# Allegro board Lay-45699_A.brd (continued)
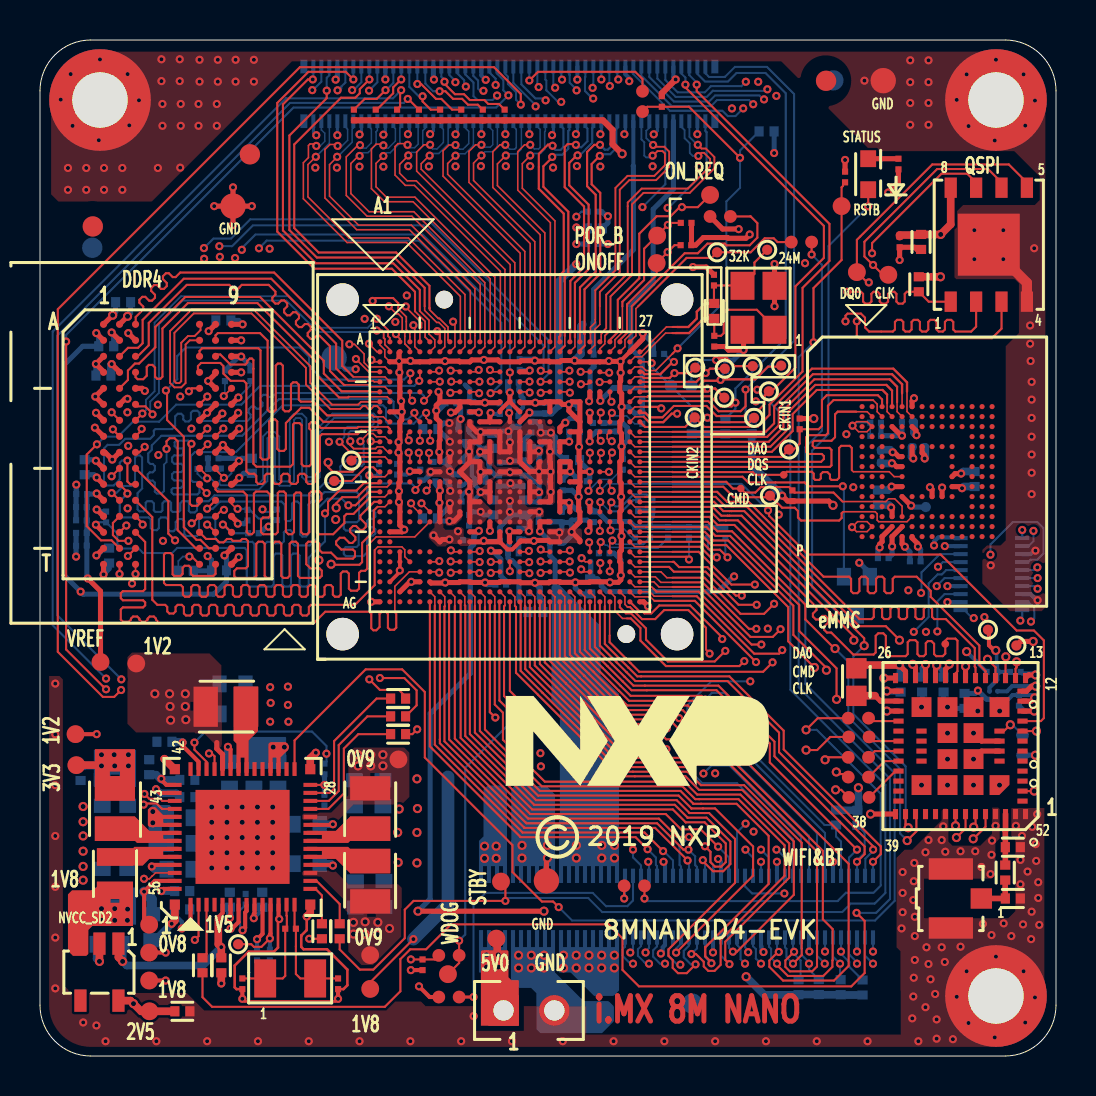
[diagram p0: board, top side]
## Footprints (pads in the part's own frame, mm; a bottom-side part is the same pattern mirrored in y, then rotated) (continued)
  round 0.254 smd: A1(-3.25,3.25) A2(-2.75,3.25) A3(-2.25,3.25) A4(-1.75,3.25) A5(-1.25,3.25) A6(-0.75,3.25) A7(-0.25,3.25) A8(0.25,3.25) A9(0.75,3.25) A10(1.25,3.25) A11(1.75,3.25) A12(2.25,3.25) A13(2.75,3.25) A14(3.25,3.25) B1(-3.25,2.75) B2(-2.75,2.75) B3(-2.25,2.75) B4(-1.75,2.75) B5(-1.25,2.75) B6(-0.75,2.75) B7(-0.25,2.75) B8(0.25,2.75) B9(0.75,2.75) B10(1.25,2.75) B11(1.75,2.75) B12(2.25,2.75) B13(2.75,2.75) B14(3.25,2.75) C1(-3.25,2.25) C2(-2.75,2.25) C3(-2.25,2.25) C4(-1.75,2.25) C5(-1.25,2.25) C6(-0.75,2.25) C7(-0.25,2.25) C8(0.25,2.25) C9(0.75,2.25) C10(1.25,2.25) C11(1.75,2.25) C12(2.25,2.25) C13(2.75,2.25) C14(3.25,2.25) D1(-3.25,1.75) D2(-2.75,1.75) D3(-2.25,1.75) D4(-1.75,1.75) D12(2.25,1.75) D13(2.75,1.75) D14(3.25,1.75) E1(-3.25,1.25) E2(-2.75,1.25) E3(-2.25,1.25) E5(-1.25,1.25) E6(-0.75,1.25) E7(-0.25,1.25) E8(0.25,1.25) E9(0.75,1.25) E10(1.25,1.25) E12(2.25,1.25) E13(2.75,1.25) E14(3.25,1.25) F1(-3.25,0.75) F2(-2.75,0.75) F3(-2.25,0.75) F5(-1.25,0.75) F10(1.25,0.75) F12(2.25,0.75) F13(2.75,0.75) F14(3.25,0.75) G1(-3.25,0.25) G2(-2.75,0.25) G3(-2.25,0.25) G5(-1.25,0.25) G10(1.25,0.25) G12(2.25,0.25) G13(2.75,0.25) G14(3.25,0.25) H1(-3.25,-0.25) H2(-2.75,-0.25) H3(-2.25,-0.25) H5(-1.25,-0.25) H10(1.25,-0.25) H12(2.25,-0.25) H13(2.75,-0.25) H14(3.25,-0.25) J1(-3.25,-0.75) J2(-2.75,-0.75) J3(-2.25,-0.75) J5(-1.25,-0.75) J10(1.25,-0.75) J12(2.25,-0.75) J13(2.75,-0.75) J14(3.25,-0.75) K1(-3.25,-1.25) K2(-2.75,-1.25) K3(-2.25,-1.25) K5(-1.25,-1.25) K6(-0.75,-1.25) K7(-0.25,-1.25) K8(0.25,-1.25) K9(0.75,-1.25) K10(1.25,-1.25) K12(2.25,-1.25) K13(2.75,-1.25) K14(3.25,-1.25) L1(-3.25,-1.75) L2(-2.75,-1.75) L3(-2.25,-1.75) L12(2.25,-1.75) L13(2.75,-1.75) L14(3.25,-1.75) M1(-3.25,-2.25) M2(-2.75,-2.25) M3(-2.25,-2.25) M4(-1.75,-2.25) M5(-1.25,-2.25) M6(-0.75,-2.25) M7(-0.25,-2.25) M8(0.25,-2.25) M9(0.75,-2.25) M10(1.25,-2.25) M11(1.75,-2.25) M12(2.25,-2.25) M13(2.75,-2.25) M14(3.25,-2.25) N1(-3.25,-2.75) N2(-2.75,-2.75) N3(-2.25,-2.75) N4(-1.75,-2.75) N5(-1.25,-2.75) N6(-0.75,-2.75) N7(-0.25,-2.75) N8(0.25,-2.75) N9(0.75,-2.75) N10(1.25,-2.75) N11(1.75,-2.75) N12(2.25,-2.75) N13(2.75,-2.75) N14(3.25,-2.75) P1(-3.25,-3.25) P2(-2.75,-3.25) P3(-2.25,-3.25) P4(-1.75,-3.25) P5(-1.25,-3.25) P6(-0.75,-3.25) P7(-0.25,-3.25) P8(0.25,-3.25) P9(0.75,-3.25) P10(1.25,-3.25) P11(1.75,-3.25) P12(2.25,-3.25) P13(2.75,-3.25) P14(3.25,-3.25)
GNDPOINT256
  round 5.08 hole 2.769: 1(0,0)
HDR_1X2
  rect 1.524x1.524 hole 1.016: 1(0,0)
  round 1.524 hole 1.016: 2(0,-2.54)
IND_0603A
  rect 1.016x1.016 smd: 1(-0.69,0) 2(0.69,0)
IND_2016A
  rect 0.864x1.803 smd: 1(-0.835,0) 2(0.835,0)
IND_SPH2520
  rect 1.219x2.007 smd: 1(-1.01,0) 2(1.01,0)
LED_0603
  rect 0.838x0.787 smd: A(-0.775,0) C(0.775,0)
LGA72_0P5_7P9X7P3
  rect 0.508x0.254 smd: 1(-3.1,2.75) 2(-3.1,2.25) 3(-3.1,1.75) 4(-3.1,1.25) 5(-3.1,0.75) 6(-3.1,0.25) 7(-3.1,-0.25) 8(-3.1,-0.75) 9(-3.1,-1.25) 10(-3.1,-1.75) 11(-3.1,-2.25) 12(-3.1,-2.75) 27(3.1,-2.75) 28(3.1,-2.25) 29(3.1,-1.75) 30(3.1,-1.25) 31(3.1,-0.75) 32(3.1,-0.25) 33(3.1,0.25) 34(3.1,0.75) 35(3.1,1.25) 36(3.1,1.75) 37(3.1,2.25) 38(3.1,2.75) 54(-1.95,0.75) 55(-1.95,0.25) 56(-1.95,-0.25) 57(-1.95,-0.75) 62(1.95,-0.75) 63(1.95,-0.25) 64(1.95,0.25) 65(1.95,0.75)
  rect 0.254x0.508 smd: 13(-3.25,-3.4) 14(-2.75,-3.4) 15(-2.25,-3.4) 16(-1.75,-3.4) 17(-1.25,-3.4) 18(-0.75,-3.4) 19(-0.25,-3.4) 20(0.25,-3.4) 21(0.75,-3.4) 22(1.25,-3.4) 23(1.75,-3.4) 24(2.25,-3.4) 25(2.75,-3.4) 26(3.25,-3.4) 39(3.25,3.4) 40(2.75,3.4) 41(2.25,3.4) 42(1.75,3.4) 43(1.25,3.4) 44(0.75,3.4) 45(0.25,3.4) 46(-0.25,3.4) 47(-0.75,3.4) 48(-1.25,3.4) 49(-1.75,3.4) 50(-2.25,3.4) 51(-2.75,3.4) 52(-3.25,3.4)
  custom 0.991x0.991 smd: 53(-1.95,1.95)
  rect 0.991x0.991 smd: 58(-1.95,-1.95) 59(-0.65,-1.95) 60(0.65,-1.95) 61(1.95,-1.95) 66(1.95,1.95) 67(0.65,1.95) 68(-0.65,1.95) 69(-0.65,0.65) 70(-0.65,-0.65) 71(0.65,-0.65) 72(0.65,0.65)
RC0402_25
  round 0.635 smd: 1(-0.508,0) 2(0.508,0)
SC70_3
  rect 0.711x0.889 smd: 1(-0.648,-0.952) 2(0.648,-0.952) 3(0,0.952)
SOT23-5
  rect 0.61x1.118 smd: 1(-1,-1.4) 2(-0.05,-1.4) 3(0.9,-1.4) 4(0.9,1.45) 5(-1,1.45)
TESTPOINT_35MIL
  round 0.889 smd: 1(0,0)
TPAD_015
  round 0.381 smd: 1(0,0)
TPAD_020
  round 0.508 smd: 1(0,0)
TPAD_050
  round 1.27 smd: 1(0,0)
unnamed#2
  round 1.016 smd: (0,0)
unnamed#3
  round 1.626 hole 1.626 unplated: (-8.362,8.362) (-8.362,-8.362) (8.362,8.362) (8.362,-8.362)
  round 0.889 hole 0.889 unplated: (-8.362,-3.282) (8.362,5.822)
UQFN56_0P4_7X7_EP_S185
  rect 0.686x0.203 smd: 1(-3.39,2.6) 2(-3.39,2.2) 3(-3.39,1.8) 4(-3.39,1.4) 5(-3.39,1) 6(-3.39,0.6) 7(-3.39,0.2) 8(-3.39,-0.2) 9(-3.39,-0.6) 10(-3.39,-1) 11(-3.39,-1.4) 12(-3.39,-1.8) 13(-3.39,-2.2) 14(-3.39,-2.6) 29(3.39,-2.6) 30(3.39,-2.2) 31(3.39,-1.8) 32(3.39,-1.4) 33(3.39,-1) 34(3.39,-0.6) 35(3.39,-0.2) 36(3.39,0.2) 37(3.39,0.6) 38(3.39,1) 39(3.39,1.4) 40(3.39,1.8) 41(3.39,2.2) 42(3.39,2.6)
  rect 0.203x0.686 smd: 15(-2.6,-3.39) 16(-2.2,-3.39) 17(-1.8,-3.39) 18(-1.4,-3.39) 19(-1,-3.39) 20(-0.6,-3.39) 21(-0.2,-3.39) 22(0.2,-3.39) 23(0.6,-3.39) 24(1,-3.39) 25(1.4,-3.39) 26(1.8,-3.39) 27(2.2,-3.39) 28(2.6,-3.39) 43(2.6,3.39) 44(2.2,3.39) 45(1.8,3.39) 46(1.4,3.39) 47(1,3.39) 48(0.6,3.39) 49(0.2,3.39) 50(-0.2,3.39) 51(-0.6,3.39) 52(-1,3.39) 53(-1.4,3.39) 54(-1.8,3.39) 55(-2.2,3.39) 56(-2.6,3.39)
  rect 4.699x4.699 smd: 57(0,0)
  rect 0.508x0.508 smd: 58(-3.385,3.385) 59(-3.385,-3.385) 60(3.385,-3.385) 61(3.385,3.385)
WLCSP4_0P4_0P8X0P8_SMDP
  round 0.254 smd: A1(-0.2,0.2) A2(0.2,0.2) B1(-0.2,-0.2) B2(0.2,-0.2)
XTAL2-3P2X1P5-SM
  rect 1.092x1.905 smd: 1(-1.25,0) 2(1.25,0)
XTLOSC4_3P2X2P5MM_SM
  rect 1.397x1.194 smd: 1(-1.1,-0.8) 2(1.1,-0.8) 3(1.1,0.8) 4(-1.1,0.8)

## Nets
GND: BH1.1 BH2.1 BH3.1 C1.2 C2.2 C3.2 C5.2 C6.2 C8.2 C9.2 C10.2 C11.2 C12.2 C13.1 C14.1 C15.2 C16.2 C17.2 C18.1 C20.2 C21.2 C23.2 C30.2 C33.2 C35.2 C36.2 C48.2 C54.2 C55.2 C61.2 C65.2 C74.2 C78.2 C88.2 C89.2 C90.2 C91.2 C92.2 C93.2 C94.2 C95.2 C99.2 C100.2 C101.2 C104.2 C105.2 C106.2 C108.2 C109.2 C110.2 C111.2 C112.2 C113.2 C114.2 C123.2 C124.2 C127.2 C128.2 C129.2 C130.2 C131.2 C132.2 C133.2 C136.2 C137.2 C138.2 C139.2 C140.2 C141.2 C142.2 C143.2 C146.2 C148.2 C234.1 C235.2 C241.2 C244.2 C245.2 C247.2 C248.2 C251.2 C253.2 C254.2 C255.2 C256.2 C260.2 C264.2 C265.2 C266.2 C267.2 C268.2 C272.1 C273.2 C275.2 C279.1 C281.1 C283.2 C285.2 C287.2 C295.1 C298.2 C299.2 C301.1 C306.1 C307.1 C311.2 C312.2 C316.1 C317.2 C318.2 C323.1 C324.2 C325.2 C333.2 C337.2 C351.2 C363.2 C365.2 C389.2 C391.2 C392.2 C393.2 C394.2 C400.2 C401.1 C402.1 C403.2 C404.2 C422.2 C423.2 C424.1 J2.2 J2.3(GND2) J4.1 J4.7 J4.8 J4.13 J4.19 J4.20 J4.25 J4.31 J4.32 J4.37 J4.43 J4.44 J4.49 J4.55 J4.61 J4.67 J4.68 J4.73 J4.79 J4.80 J4.87 J4.92 J4.97 J5.9 J5.10 J5.11 J5.12 J5.13 J5.14 J5.15 J5.16 J5.17 J5.18 J5.19 J5.20 J5.47 J5.48 J5.60 J5.61 J5.72 J5.75 J5.84 J5.89 J5.96 J6.2 J7.3 J7.6 J7.7 J7.16 J7.17 L3.2 L4.2 Q1.2(SOURCE) R4.1 R5.1 R7.1 R18.2 R23.2 R28.2 R29.2 R30.2 R64.2 R103.2 R135.2 R154.2 R156.1 R159.1 R160.2 TP44.1(PIN1) TP45.1(PIN1) TP46.1(PIN1) TP47.1(PIN1) U1.A1 U1.A27 U1.AA7 U1.AA9 U1.AA10 U1.AA13 U1.AA15 U1.AA18 U1.AA19 U1.AA21 U1.AB3 U1.AB25 U1.AC3 U1.AC25 U1.AE2 U1.AE5 U1.AE6 U1.AE9 U1.AE10 U1.AE13 U1.AE14 U1.AE15 U1.AE18 U1.AE19 U1.AE22 U1.AE23 U1.AF3 U1.AG1 U1.AG27 U1.B3 U1.B26 U1.C2 U1.C5 U1.C6 U1.C9 U1.C10 U1.C13 U1.C14 U1.C15 U1.C18 U1.C19 U1.C22 U1.C23 U1.E3 U1.E25 U1.F3 U1.F25 U1.G7 U1.G9 U1.G10 U1.G13 U1.G15 U1.G18 U1.G19 U1.G21 U1.H2 U1.H18 U1.J3 U1.J7 U1.J21 U1.J25 U1.K3 U1.K7 U1.K20 U1.K21 U1.K25 U1.L12 U1.L16 U1.M12 U1.M16 U1.N3 U1.N7 U1.N12 U1.N16 U1.N21 U1.N25 U1.P3 U1.P13 U1.P15 U1.P21 U1.P25 U1.R3 U1.R7 U1.R12 U1.R16 U1.R20 U1.R21 U1.R25 U1.T12 U1.T16 U1.U12 U1.U16 U1.V3 U1.V7 U1.V21 U1.V25 U1.W3(VSS99) U1.W7 U1.W21 U1.W25 U1.Y2 U1.Y13 U1.Y18 U2.A2 U2.A8 U2.B2 U2.C9 U2.D2 U2.D8 U2.E1 U2.E3 U2.E8 U2.F1 U2.G8 U2.H1 U2.H9 U2.K1 U2.K9 U2.N1 U2.N9 U2.T1 U4.A6 U4.C4 U4.E7 U4.G5 U4.H10 U4.J5 U4.K8 U4.N2 U4.N5 U4.P4 U4.P6 U5.4 U5.9 U6.10 U6.12 U6.13 U6.19 U6.21 U6.24 U6.26 U6.27 U6.29 U6.39 U6.44 U6.49 U6.51 U6.52 U6.53 U6.55 U6.56 U6.58 U6.59 U6.60 U6.61 U6.66 U6.67 U6.68 U6.69 U6.70 U6.71 U6.72 U7.B2 U8.12 U8.57 U8.58 U8.59 U8.60 U8.61 U9.2 Y1.2 Y1.4
VDD_ARM_0V9: C33.1 C35.1 C36.1 C248.1 C251.1 C253.1 C283.1 C287.1 L6.2 TP23.1(TP) U1.R13 U1.R15 U1.T13 U1.T14 U1.T15 U1.U13 U1.U15 U1.V13 U1.V15 U1.V16 U1.W13 U1.W14 U1.W15 U1.W16 U8.24
VDD_PHY_1V2: C244.1 C351.1 TP31.1(TP) U1.J15 U8.44
VDD_SNVS_0V8: C9.1 C337.1 R113.1 TP29.1(TP) U1.K22 U8.8
VDD_SOC&DRAM&PU_0V9: C1.1 C15.1 C16.1 C20.1 C48.1 C54.1 C55.1 C61.1 C65.1 C74.1 C78.1 C234.2 C235.1 C247.1 C254.1 C255.1 C256.1 C275.1 C285.1 L5.2 TP22.1(TP) U1.J10 U1.J14 U1.J16 U1.J17 U1.K12 U1.K13 U1.K15 U1.K16 U1.L10 U1.L11 U1.L13 U1.L15 U1.L17 U1.L18 U1.M13 U1.M14 U1.M15 U1.N10 U1.N11 U1.N13 U1.N15 U1.N17 U1.N18 U1.P9 U1.P12 U1.P16 U1.R10 U1.R11 U1.R17 U1.R18 U1.U10 U1.U11 U1.U17 U1.U18 U1.V12 U1.W10 U1.W11 U8.17
VDDA_1V8: C99.1 C100.1 C101.1 C104.1 C265.1 C267.1 C363.1 C400.1 TP32.1(TP) U1.AA14 U1.G14 U1.H13 U1.H15 U1.N19 U1.N20 U1.P5 U1.P19 U1.R19 U1.Y15 U8.6
VIN_LDO: C141.1 L2.1 U6.25
32K_CLKIN: R115.2 U6.30
ANT_IN0: L4.1 R44.2 U6.50
BOOT_MODE0: J4.98 R47.1 U1.G26
BOOT_MODE1: J4.100 R79.1 U1.G27
BOOT_MODE2: R78.1 R155.1 U1.C27
BOOT_MODE3: R77.1 R134.1 R135.1 U1.D26
BT_REG_ON: U1.U27 U6.8
BT_WAKE_DEV: U1.U26 U6.40
BT_WAKE_HOST: U1.W27 U6.41
CLK_32K_OUT: R100.1 U8.29
CLKIN1: J4.94 TP20.1(PIN1) U1.H27
CLKIN2: J4.96 TP21.1(PIN1) U1.J27
CLKOUT1: J4.64 U1.H26
CLKOUT2: J4.66 U1.J26
CSI_CKN: J4.45 U1.A16
CSI_CKP: J4.47 U1.B16
CSI_DN0: J4.33 U1.A14
CSI_DN1: J4.39 U1.A15
CSI_DN2: J4.51 U1.A17
CSI_DN3: J4.57 U1.A18
CSI_DP0: J4.35 U1.B14
CSI_DP1: J4.41 U1.B15
CSI_DP2: J4.53 U1.B17
CSI_DP3: J4.59 U1.B18
DRAM_A0: U1.AD5 U2.P3
DRAM_A1: U1.U1 U2.P7
DRAM_A2: U1.U2 U2.R3
DRAM_A3: U1.N6 U2.N7
DRAM_A4: U1.K5 U2.N3
DRAM_A5: U1.N5 U2.P8
DRAM_A6: U1.N4 U2.P2
DRAM_A7: U1.E4 U2.R8
DRAM_A8: U1.D5 U2.R2
DRAM_A9: U1.J5 U2.R7
DRAM_A10: U1.AC4 U2.M3
DRAM_A11: U1.K6 U2.T2
DRAM_A12: U1.J6 U2.M7
DRAM_A13: U1.W6 U2.T8
DRAM_BA0: U1.V6 U2.N2
DRAM_BA1: U1.N1 U2.N8
DRAM_BG0: U1.L2 U2.M2
DRAM_BG1: R158.1 U1.L1
DRAM_CK_C: R9.1 U1.M2 U2.K8
DRAM_CK_T: R8.1 U1.M1 U2.K7
DRAM_CKE: U1.F4 U2.K2
DRAM_DMI0: U1.A4 U2.E7
DRAM_DMI1: U1.F1 U2.E2
DRAM_DQ00: U1.A5 U2.G2
DRAM_DQ01: U1.B5 U2.H2
DRAM_DQ02: U1.D2 U2.H7
DRAM_DQ03: U1.D1 U2.H8
DRAM_DQ04: U1.C1 U2.F7
DRAM_DQ05: U1.B1 U2.J7
DRAM_DQ06: U1.A3 U2.J3
DRAM_DQ07: U1.B4 U2.H3
DRAM_DQ08: U1.F2 U2.C3
DRAM_DQ09: U1.G2 U2.D3
DRAM_DQ10: U1.J1 U2.C7
DRAM_DQ11: U1.J2 U2.B8
DRAM_DQ12: U1.K2 U2.C8
DRAM_DQ13: U1.K1 U2.D7
DRAM_DQ14: U1.E1 U2.C2
DRAM_DQ15: U1.E2 U2.A3
DRAM_DQS0_N: U1.B2 U2.F3
DRAM_DQS0_P: U1.A2 U2.G3
DRAM_DQS1_N: U1.H1 U2.A7
DRAM_DQS1_P: U1.G1 U2.B7
DRAM_NACT: U1.F6 U2.L3
DRAM_NALERT: R139.1 U1.R2 U2.P9
DRAM_NCAS(A15): U1.R5 U2.M8
DRAM_NCS: U1.K4 U2.L7
DRAM_NRAS: U1.T2 U2.L8
DRAM_NRESET: R4.2 U1.R1 U2.P1
DRAM_NWE(A14): U1.T1 U2.L2
DRAM_ODT: U1.V5 U2.K3
DRAM_PARITY: U1.R6 U2.T3
DRAM_VREF: C110.1 C389.1 C390.2 R63.2 R64.1 TP100.1(TP) U2.M1
DSI_CKN: J4.15 U1.A11
DSI_CKP: J4.17 U1.B11
DSI_DN0: J4.3 U1.A9
DSI_DN1: J4.9 U1.A10
DSI_DN2: J4.21 U1.A12
DSI_DN3: J4.27 U1.A13
DSI_DP0: J4.5 U1.B9
DSI_DP1: J4.11 U1.B10
DSI_DP2: J4.23 U1.B12
DSI_DP3: J4.29 U1.B13
ECSPI2_MISO: J4.16 U1.A8
ECSPI2_MOSI: J4.18 U1.B8
ECSPI2_SCLK: J4.14 U1.E6
ECSPI2_SS0: J4.12 U1.A6
EMMC_VDDIM: C136.1 C137.1 U4.C2
ENET_MDC: J7.18 U1.AC27
ENET_MDIO: J7.20 U1.AB27
ENET_RD0: J7.8 U1.AE27
ENET_RD1: J7.10 U1.AD27
ENET_RD2: J7.12 U1.AD26
ENET_RD3: J7.14 U1.AC26
ENET_RX_CTL: J7.2 U1.AF27
ENET_RXC: J7.4 U1.AE26
ENET_TD0: J7.9 U1.AG26
ENET_TD1: J7.11 U1.AF26
ENET_TD2: J7.13 U1.AG25
ENET_TD3: J7.15 U1.AF25
ENET_TX_CTL: J7.1 U1.AF24
ENET_TXC: J7.5 U1.AG24
GPIO1_IO01: J5.64 U1.AF14
GPIO1_IO05: J5.62 U1.AF12
GPIO1_IO06: J5.58 U1.AG11
GPIO1_IO07: J5.56 U1.AF11
GPIO1_IO08: J5.54 U1.AG10
GPIO1_IO09: J5.52 U1.AF10
GPIO1_IO10: J5.50 U1.AD10
GPIO1_IO11: J5.46 U1.AC10
GPIO1_IO12: J5.44 U1.AB10
GPIO1_IO13: J5.42 U1.AD9
GPIO1_IO14: J5.40 U1.AC9
GPIO1_IO15: J5.38 U1.AB9
I2C1_SCL: R10.2 R48.1 U1.E9
I2C1_SDA: R11.2 R54.1 U1.F9
I2C2_SCL: J4.22 R12.2 U1.D10
I2C2_SDA: J4.24 R13.2 U1.D9
I2C3_SCL: J4.26 R14.2 U1.E10
I2C3_SDA: J4.28 R15.2 U1.F10
I2C4_SCL: J4.30 R16.2 U1.D13
I2C4_SDA: J4.34 R17.2 U1.E13
INTLDO_1V5: C273.1 TP52.1(PIN1) U8.11
JTAG_MOD: R23.1 U1.D27
JTAG_NTRST: J4.60 R155.2 TP1.1(PIN1)
JTAG_SEL: R154.1 U6.57
JTAG_TCK: J4.62 R18.1 TP4.1(PIN1) U1.F26
JTAG_TDI: J4.54 TP2.1(PIN1) U1.E27
JTAG_TDO: J4.52 TP5.1(PIN1) U1.E26
JTAG_TMS: J4.58 TP3.1(PIN1) U1.F27
LDO4_VOUT: U8.42
LDO5_VOUT: U8.4
M.2_32K_OUT: J5.37 R116.2
NC_J18: U1.J18
NVCC_1V8: C3.1 C5.1 C13.2 C18.2 C21.1 C23.1 C130.1 C131.1 C132.1 C133.1 C138.1 C139.1 C146.1 C241.1 C266.1 C317.1 C318.1 C404.1 J5.22 J5.24 J5.26 J5.28 J5.30 J5.32 J5.34 J5.36 L13.2 R10.1 R11.1 R12.1 R13.1 R14.1 R15.1 R16.1 R17.1 R37.1 R47.2 R77.2 R78.2 R79.2 R106.1 R117.1 R118.1 TP26.1(TP) U1.AB13 U1.J11 U1.J12 U1.J13 U1.L19 U1.M19 U1.T19 U1.U19 U1.V19 U1.V20 U1.W12 U4.C6 U4.M4 U4.N4 U4.P3 U4.P5 U5.8 U7.A1 U8.43 U8.54 U8.56 U9.3
NVCC_3V3: C6.1 C8.1 C14.2 C30.1 C127.1 C128.1 C129.1 C142.1 C143.1 C260.1 C264.1 C311.1 C312.1 C403.1 J5.21 J5.23 J5.25 J5.27 J5.29 J5.31 J5.33 J5.35 L11.2 R71.2 R72.2 R75.2 R76.2 R95.2 R97.2 R125.1 R153.1 TP25.1(TP) U1.H10 U1.K19 U1.W17 U1.W18 U1.Y10 U4.E6 U4.F5 U4.J10 U4.K9 U6.22 U6.23 U8.1 U8.7 U8.46
NVCC_DRAM_1V2: C88.1 C89.1 C90.1 C91.1 C92.1 C93.1 C94.1 C95.1 C105.1 C106.1 C108.1 C109.1 C113.1 C114.1 C324.1 C325.1 C390.1 L15.2 R63.1 R139.2 TP27.1(TP) U1.K8 U1.K9 U1.L9 U1.M9 U1.N8 U1.N9 U1.P7 U1.R8 U1.R9 U1.T9 U1.U9 U1.V8 U1.V9 U2.A1 U2.A9 U2.B3 U2.B9 U2.C1 U2.D1 U2.D9 U2.F2 U2.F8 U2.G1 U2.G7 U2.G9 U2.J1 U2.J2 U2.J8 U2.J9 U2.L1 U2.L9 U2.R1 U2.T9 U8.38
NVCC_ENET: C2.1 C392.1 J7.19 U1.W22
NVCC_SD2: C17.1 C365.1 R119.1 R120.1 R121.1 R122.1 R123.1 R124.1 R126.1 R133.1 TP33.1(TP) U1.V22 U8.55
NVCC_SNVS_1V8: C272.2 C333.1 C391.1 R20.1 R21.1 R61.1 R102.1 TP28.1(TP) U1.J22 U8.10 U8.28
ONOFF: J4.46 R21.2 TP7.1(TP) U1.A25
PCIE_CLKN: J4.75 U1.A21
PCIE_CLKP: J4.77 U1.B21
PCIE_RXN: J4.63 U1.A19
PCIE_RXP: J4.65 U1.B19
PCIE_TXN: J4.69 U1.A20
PCIE_TXP: J4.71 U1.B20
PDM_CLK: J5.65 U1.AC15
PDM_DATA0: J5.67 U1.AD18
PDM_DATA1: J5.69 U1.AC14
PDM_DATA2: J5.71 U1.AD13
PDM_DATA3: J5.73 U1.AC13
PHY_VREF: TP58.1(PIN1) U1.P1
PMIC_NINT: U1.AF13 U8.39
PMIC_ON_REQ: J4.48 R51.1 TP6.1(TP) U1.A24
PMIC_STBY_REQ: R52.1 TP10.1(TP) U1.E24
POR_B: J4.50 R20.2 R114.2 TP9.1(TP) U1.B24
QSPIA_DATA0: TP16.1(TP) U1.P23 U5.5
QSPIA_DATA1: U1.K24 U5.2
QSPIA_DATA2: U1.K23 U5.3(W\/DQ2)
QSPIA_DATA3: U1.N23 U5.7
QSPIA_NSS0: R37.2 U1.N24 U5.1
QSPIA_SCLK: TP17.1(TP) U1.N22 U5.6
REF_CLK_32K: R115.1 R116.1 U1.AG14
RF_ANT0: J2.1 L3.1 R44.1
RTC_RESET_B: R102.2 R111.2 TP8.1(TP) U1.F24
SAI1_MCLK: J5.98 U1.AB18
SAI1_RXC: J5.76 U1.AF16
SAI1_RXD0: J5.78 U1.AG15
SAI1_RXD1: J5.80 R76.1 U1.AF15
SAI1_RXD2: J5.82 R75.1 U1.AG17
SAI1_RXD3: J5.86 U1.AF17
SAI1_RXD4: J5.88 U1.AG18
SAI1_RXD5: J5.90 R72.1 U1.AF18
SAI1_RXD6: J5.92 R71.1 U1.AG19
SAI1_RXD7: J5.94 U1.AF19
SAI1_RXFS: J5.74 U1.AG16
SAI1_TXC: J5.81 U1.AC18
SAI1_TXD0: J5.83 U1.AG20
SAI1_TXD1: J5.85 U1.AF20
SAI1_TXD2: J5.87 U1.AG21
SAI1_TXD3: J5.91 R97.1 U1.AF21
SAI1_TXD4: J5.93 U1.AG22
SAI1_TXD5: J5.95 R95.1 U1.AF22
SAI1_TXD6: J5.97 U1.AG23
SAI1_TXD7: J5.99 U1.AF23
SAI1_TXFS: J5.100 U1.AB19
SAI2_MCLK: J5.66 U1.AD19
SAI2_RXC: J5.79 U1.AB22
SAI2_RXD: R132.2 U1.AC24
SAI2_RXD_RES: R132.1 U6.34
SAI2_RXFS: J5.68 U1.AC19
SAI2_TXC: R131.2 U1.AD22
SAI2_TXC_RES: R131.1 U6.35
SAI2_TXD: R130.2 U1.AC22
SAI2_TXD_RES: R130.1 U6.32
SAI2_TXFS: R129.2 U1.AD23
SAI2_TXFS_RES: R129.1 U6.33
SAI3_MCLK: J5.41 U1.AD6
SAI3_RXC: J5.53 U1.AG7
SAI3_RXD: J5.55 U1.AF7
SAI3_RXFS: J5.51 U1.AG8
SAI3_TXC: J5.45 U1.AG6
SAI3_TXD: J5.49 U1.AF6
SAI3_TXFS: J5.43 U1.AC6
SAI5_MCLK: J5.77 U1.AD15
SAI5_RXFS: J5.70 U1.AB15
SD1_CLK: TP11.1(PIN1) U1.V26 U6.20
SD1_CMD: U1.V27 U6.15
SD1_DATA0: U1.Y27 U6.14
SD1_DATA1: U1.Y26 U6.16
SD1_DATA2: U1.T27 U6.17
SD1_DATA3: U1.T26 U6.18
SD1_STROBE: J4.70 U1.R24
SD2_CLK: J4.76 U1.W23
SD2_CMD: J4.78 R120.2 U1.W24
SD2_DATA0: J4.84 R119.2 U1.AB23
SD2_DATA1: J4.82 R122.2 U1.AB24
SD2_DATA2: J4.72 R123.2 U1.V24
SD2_DATA3: J4.74 R124.2 U1.V23
SD2_NCD: J4.88 R121.2 U1.AA26
SD2_NRST: J4.90 R133.2 U1.AB26
SD2_VSEL: U1.AG12 U8.45
SD2_WP: J4.86 R126.2 U1.AA27
SD3_CLK: TP34.1(PIN1) U1.R26 U4.M6
SD3_CMD: R118.2 TP35.1(PIN1) U1.R27 U4.M5
SD3_DATA0: R117.2 TP36.1(PIN1) U1.M26 U4.A3
SD3_DATA1: U1.L26 U4.A4
SD3_DATA2: U1.K26 U4.A5
SD3_DATA3: U1.N26 U4.B2
SD3_DATA4: U1.N27 U4.B3
SD3_DATA5: U1.M27 U4.B4
SD3_DATA6: U1.L27 U4.B5
SD3_DATA7: U1.K27 U4.B6
SD3_STROBE: TP40.1(PIN1) U1.P27 U4.H5
SPDIF_EXT_CLK: J5.63 U1.AF8
SPDIF_RX: J5.59 U1.AG9
SPDIF_TX: J5.57 U1.AF9
SR_VLX: L2.2 U6.28
SYS_NRST: J5.39 R127.1
SYS_STATUS: Q1.1 U1.P26
TEST_MODE: J4.56 R134.2
TS_RES_EXT: R103.1 U1.J24
TS_TEST_OUT: TP19.1(PIN1) U1.J23
UART1_CTS: U1.E18 U6.48
UART1_RTS: U1.D18 U6.47
UART1_RXD: U1.E14 U6.46
UART1_TXD: U1.F13 U6.45
UART2_RXD: J4.36 U1.F15
UART2_TXD: J4.38 U1.E15
UART3_CTS: J4.10 U1.A7
UART3_RTS: J4.2 U1.B6
UART3_RXD: J4.4 U1.D6
UART3_TXD: J4.6 U1.B7
UART4_RXD: J4.40 U1.F19
UART4_TXD: J4.42 U1.F18
USB1_DN: J4.83 U1.A22
USB1_DP: J4.85 U1.B22
USB1_ID: J4.89 U1.D22
USB1_VBUS: C393.1 J4.81 R108.2
USB2_DN: J4.93 U1.A23
USB2_DP: J4.95 U1.B23
USB2_ID: J4.99 U1.D23
USB2_VBUS: C394.1 J4.91 R109.2
VPP_2V5: C111.1 C112.1 C423.1 TP105.1(TP) U2.B1 U2.R9 U9.5(VOUT)
VSYS_5V: C10.1 C11.1 C12.1 C279.2 C281.2 C295.2 C301.2 C306.2 C307.2 C316.2 C323.2 C401.2 C402.2 C424.2 J5.1 J5.2 J5.3 J5.4 J5.5 J5.6 J5.7 J5.8 J6.1 TP51.1(TP) U8.5 U8.9 U8.18 U8.23 U8.31 U8.32 U8.37 U8.41 U8.47 U8.48 U8.53 U9.1
WDOG_B: R55.1 TP53.1(TP) U1.AG13
WIFI_1V8: C140.1 TP13.1(PIN1) U6.11 U7.A2(VOUT)
WL_REG_ON: U1.R23 U6.9(WL_REG_ON)
WL_WAKE_HOST: U1.W26 U6.2
XIN_32K: C298.1 QZ2.2 R57.1 U8.14
XOUT_32K: C299.1 QZ2.1 R57.2 U8.13(XOUT)
XTALI_24M: C123.1 R26.1 TP38.1(PIN1) U1.B27 Y1.3
XTALI_32K: R100.2 TP39.1(PIN1) U1.A26
XTALO_24M: C124.1 R26.2 U1.C26 Y1.1
XTALO_32K: R113.2 U1.B25
N102271152: R7.2 U1.P2
N106370682: R108.1 U1.F22
N106370752: R29.1 U1.E19
N106651228: L5.1 U8.19 U8.20
N106658448: L6.1 U8.21 U8.22
N106678828: L15.1 U8.35 U8.36
N106678929: L11.1 U8.49 U8.50
N106679133: L13.1 U8.51 U8.52
N106740715: R114.1 U8.25
N106742973: R54.2 U8.27
N106742988: R48.2 U8.26
N106743010: R55.2 R106.2 U8.2
N106743238: R51.2 U8.15
N106743319: R52.2 U8.16
N106743947: R111.1 U8.3
N106795449: R61.2 R127.2 U8.40
N107005929: TP15.1(PIN1) U1.N2
N107176498: C245.1 U1.R22
N107222690: TP18.1(PIN1) U4.K5
N108072637: D1.C(CATHODE) Q1.3
N108250870: C268.1 U1.D15
N108844762: C148.1 R153.2 TP12.1(PIN1) U7.B1
N108904078: R109.1 U1.F23
N108904133: R30.1 U1.E22
N108904284: R28.1 U1.D19
N109051684: C422.1 R8.2 R9.2
N109059386: R5.2 U2.F9(ZQ)
N109250473: R156.2 R158.2 U2.M9
N109250537: R159.2 U2.E9
N109251723: R160.1 U2.T7
N1080031270: D1.A R125.2

Pads without a net: U1 AA1 AA2 AB1 AB2 AB4 AB5 AB6 AC1 AC2 AD1 AD2 AE1 AF1 AF2 AF4 AF5 AG2 AG3 AG4 AG5 F5 J4 R4 V1 V2 V4 W1 W2 W4 W5 Y1; U4 A1 A2 A7 A8 A9 A10 A11 A12 A13 A14 B1 B7 B8 B9 B10 B11 B12 B13 B14 C1 C3 C5 C7 C8 C9 C10 C11 C12 C13 C14 D1 D2 D3 D4 D12 D13 D14 E1 E2 E3 E5 E8 E9 E10 E12 E13 E14 F1 F2 F3 F10 F12 F13 F14 G1 G2 G3 G10 G12 G13 G14 H1 H2 H3 H12 H13 H14 J1 J2 J3 J12 J13 J14 K1 K2 K3 K6 K7 K10 K12 K13 K14 L1 L2 L3 L12 L13 L14 M1 M2 M3 M7 M8 M9 M10 M11 M12 M13 M14 N1 N3 N6 N7 N8 N9 N10 N11 N12 N13 N14 P1 P2 P7 P8 P9 P10 P11 P12 P13 P14; U6 1 3 4 5 6 7 31 36 37 38 42 43 54 62 63 64 65; U8 30 33 34; U9 4

## Via types
v1: diameter 0.406, hole 0.203, TOP to BOTTOM, 846 vias
v2: diameter 0.457, hole 0.254, TOP to BOTTOM, 181 vias

## Routing (per net, layer and track width the routed paths; a pad name or vN(x,y) marks a point on that pad's centre or on a via; arc(x,y) is an arc through that point)
GND: length 262.8
  TOP w0.076: U1.C2 17.24,34.96 17.24,35.31 16.99,35.56 U1.A1 ; U1.AA19 25.97,25.74 v1(25.97,26.18) ; 40.88,26.72 41.35,26.72 U4.N2 41.35,26.22 40.83,26.22 v1(40.6,26.44) 40.88,26.72
  TOP w0.127: v1(10.12,2.86) 10.25,2.73 14.77,2.73 v1(14.9,2.86) ; v1(13.34,6.97) 13.34,6.3 13.07,6.03 13.07,6.01 13.06,6.01 13.06,5.45 13.18,5.34 14.35,5.34 15.37,4.32 15.37,3.54 15.17,3.34 C298.2 ; C299.2 9.82,3.34 9.74,3.43 9.74,4.53 10.43,5.22 11.69,5.22 11.9,5.42 11.9,6.79 v1(11.96,6.85)
  TOP w0.178: U1.AB3 U1.AC3 17.99,24.28 v1(17.99,24.28) 17.99,24.21 U1.AE2
  TOP w0.203: v1(27.49,29.22) 27.48,29.21 U1.P21 ; U1.AA15 23.61,25.33 23.37,25.33 U1.AA13 ; C298.2 v1(14.9,2.86) ; v1(11.96,6.85) 11.93,6.88 U8.12 ; v1(29.02,34.73) 29.02,34.74 U1.B26 ; C299.2 v1(10.12,2.86)
  TOP w0.254: v1(24.95,30.26) 24.9,30.21 U1.M16 ; U2.E1 v1(2.76,32.97) 3.15,32.58 U2.F1 ; v1(10.06,34.97) 10.05,34.98 U2.C9 ; U2.A8 8.44,36.24 v1(8.43,36.24) ; U2.K9 v1(9.95,29.76) ; U1.P13 23.48,29.21 v1(23.5,29.19) 23.52,29.21 U1.P15 ; v2(46.28,19.48) 46.28,19.34 46.28,19.34 U6.19 ; TP44.1 v1(8.71,42.49) ; TP44.1 v1(9.65,41.55) ; TP44.1 v1(10.59,42.49) ; TP44.1 v1(9.65,43.43) ; U1.AG27 30.18,22.71 v1(30.41,22.49) ; v1(17.95,34.75) 17.95,35.17 U1.B3 ; v1(17.95,34.75) 18.51,34.75 v1(18.52,34.76) 18.57,34.71 U1.C5 U1.C6 19.53,34.74 v1(20.25,34.74) 20.96,34.74 U1.C9 U1.C10 21.59,34.8 v1(22.2,34.8) 22.9,34.8 U1.C13 U1.C14 U1.C15 24.05,34.77 v1(24.74,34.77) 24.77,34.74 25.46,34.74 U1.C18 U1.C19 26.06,34.77 v1(26.73,34.77) 26.79,34.71 U1.C22 U1.C23 28.41,34.71 v1(28.45,34.75) 28.47,34.73 v1(29.02,34.73) 29.03,34.72 v1(29.03,34.16) 29.03,33.75 U1.E25 U1.F25 29.08,33.12 v1(29.08,32.46) 29.08,31.8 U1.J25 U1.K25 29.08,31.13 v1(29.08,30.48) 29.08,29.79 U1.N25 U1.P25 U1.R25 29.06,28.65 v1(29.06,27.96) 29.06,27.27 U1.V25 U1.W25 29.07,26.63 29.07,26.05 29.08,26.04 v1(29.08,25.99) 29.08,25.98 29.07,25.97 29.07,25.6 29.07,25.6 29.07,25.28 U1.AB25 U1.AC25 29.04,24.66 v1(29.04,24.03) 29.04,23.81 28.92,23.68 v1(28.5,23.68) 28.47,23.71 U1.AE23 U1.AE22 27.46,23.68 v1(26.77,23.68) 26.02,23.68 U1.AE19 U1.AE18 25.45,23.66 v1(24.75,23.66) 24.04,23.66 U1.AE15 U1.AE14 U1.AE13 22.96,23.68 22.25,23.68 v1(22.25,23.67) 22.25,23.68 21.53,23.68 U1.AE10 U1.AE9 20.96,23.67 v1(20.26,23.67) 20.23,23.65 19.55,23.65 U1.AE6 ; v1(17.95,34.75) 17.92,34.71 U1.C2 ; v1(17.95,34.75) 17.99,34.71 17.99,34.15 ; v1(19.93,33.21) 19.99,33.14 U1.G7 ; v1(36.73,37.49) Y1.2 v1(36.73,39.6) ; U1.N16 U1.M16 ; U1.M16 U1.L16 ; U2.E3 5.11,33.38 v1(5.24,33.25) ; U6.12 49.33,18.25 49.58,18.49 v2(49.79,18.49) ; U2.A2 v2(4.38,36.98) ; U1.W7 U1.V7 19.99,27.64 v1(19.97,27.66) 19.97,28.25 v1(19.99,28.27) U1.R7 ; U1.G7 19.81,32.53 v1(19.81,32.27) 19.81,31.89 U1.J7 U1.K7 19.99,30.78 19.96,30.75 v1(19.96,30.2) 19.99,30.17 U1.N7 ; U1.G7 U1.G9 ; U1.Y13 U1.AA13 22.24,25.71 v1(22.19,25.76) 22.14,25.71 U1.AA10 ; v2(43.64,19.58) 43.78,19.44 U6.24 ; v1(22.04,28.19) 22.05,28.21 U1.T12 ; v1(42.6,25.47) U4.P4 43.1,26.47 U4.N5 ; v1(43.7,32.89) 43.7,32.85 43.6,32.75 U4.A6 ; U1.Y18 25.93,26.21 v1(25.97,26.18) ; U2.E8 v1(8.41,33.75) 8.78,34.12 U2.D8 ; v1(44.23,29.88) 44.23,30.02 44.1,30.15 U4.E7 ; v1(2.83,27.32) 2.84,27.32 U2.N1 ; U1.J21 26.45,32.26 v1(26.45,32.58) ; U1.J21 U1.K21 ; U1.J21 U1.G21 26.58,32.71 v1(26.45,32.58) ; U2.G8 v1(9.12,32.13) ; v1(43.9,25.47) 43.9,25.61 43.6,25.9 U4.P6 ; v1(16.56,22.71) U1.AG1 ; U6.13 49.43,19.05 v2(49.79,19.05) ; Y1.4 35.18,36.26 v1(35.18,35.31) 35.17,35.29 34.43,35.29 34.25,35.47 C124.2 ; U4.K8 44.6,28.33 v1(44.5,28.44) ; U1.T16 24.94,28.21 v1(24.95,28.19) ; U1.T16 U1.R16 ; U1.T16 U1.U16 ; TP45.1 25.32,9.85 v2(25.37,9.9) ; U1.AE5 v1(18.56,23.71) 18.49,23.71 U1.AF3 ; U1.G9 U1.G10 21.54,32.67 v1(22.25,32.67) 22.95,32.67 U1.G13 ; U1.G9 20.99,32.43 20.74,32.17 v1(20.54,32.17) ; v1(42.98,39.8) C138.2 43.74,40.44 43.85,40.33 C139.2 ; U6.26 v2(42.19,18.9) ; 17.99,34.15 U1.E3 U1.F3 17.99,32.81 v1(18.06,32.74) 18.09,32.71 v1(18.09,32.21) ; 17.99,34.15 v1(17.97,34.18) ; U1.G18 U1.G19 26.12,32.58 v1(26.45,32.58) ; U1.G18 U1.H18 ; U1.G18 25.27,32.71 25.22,32.66 v1(24.77,32.66) 24.04,32.66 U1.G15 ; U1.T12 U1.R12 ; U1.T12 U1.U12 ; U2.H9 v1(9.96,31.37) ; v1(18.09,32.21) 18.09,31.8 U1.J3 U1.K3 17.99,30.8 17.93,30.74 v1(17.93,30.69) 17.96,30.66 17.96,30.21 v1(17.92,30.17) 17.99,30.11 U1.N3 U1.P3 U1.R3 17.95,28.66 v1(17.95,28.24) v1(17.95,27.7) 17.95,27.69 17.95,27.66 17.96,27.65 17.96,27.61 17.99,27.57 U1.V3 U1.W3 17.99,26.54 v1(18.21,26.32) 18.11,26.21 U1.Y2 ; v1(18.09,32.21) U1.H2 ; v1(43.1,31.01) 43.06,31.01 U4.C4 ; v1(42.6,29.64) 42.65,29.64 42.82,29.47 U4.G5 ; v2(45.46,19.59) 45.41,19.54 45.41,19.48 45.28,19.34 U6.21 ; U6.10 v2(49.71,17.25) ; v1(9.89,26.62) 9.89,26.67 U2.N9 ; v1(46.06,29.12) 46.05,29.12 45.75,29.12 U4.H10 ; v1(20.47,25.83) 20.11,25.83 U1.AA7 19.68,26.03 v1(19.68,26.03) ; v1(3.58,34.6) 3.98,34.2 U2.D2 ; U6.55 47.08,15.25 v2(46.68,14.85) ; v1(42.58,28.47) U4.J5 ; U1.AA21 26.99,25.79 v1(26.58,26.2) 26.58,26.3 U1.W21 U1.V21 26.93,27.27 v1(26.93,27.96) 26.93,28.41 26.99,28.47 U1.R21 ; U1.K21 U1.K20 ; U1.K21 26.95,31.17 v1(26.95,30.46) 26.95,29.75 U1.N21 U1.P21 U1.R21 ; U1.R21 U1.R20 ; U1.AA15 24.04,25.75 v1(24.69,25.75) 24.72,25.78 25.42,25.78 U1.AA18 U1.AA19 ; v1(3.18,24.08) U2.T1 ; v1(32.65,39.45) 33.31,39.45 C123.2 ; v2(46.68,16.15) 47.08,15.75 U6.56 ; U2.H1 v1(2.74,31.42) ; U1.B26 U1.A27 30.14,35.85 v1(30.14,36.14) ; U2.K1 v1(2.8,29.76) ; U2.B2 v1(3.58,36.18) ; U6.39 v2(41.53,12.1) ; U6.27 v2(42.34,18.25) ; U1.N12 U1.M12 ; U1.M12 v1(22.01,30.21) ; U1.M12 U1.L12 ; U6.29 v2(42.34,17.25)
  TOP w0.305: R135.2 31.09,48.13 v1(31.78,48.83)
  TOP w0.381: U8.61 6.73,14.34 v1(6.22,14.85) ; U9.2 v2(2.97,4.73) ; v1(6.58,6.61) 6.74,6.77 U8.58 ; v1(13.34,6.97) 13.51,7.15 U8.59 ; C11.2 v1(9.06,3.63) ; U8.60 13.51,14.89 v1(13.79,15.16)
  TOP w0.508: U5.4 49.35,38.66 v1(48.16,39.84) U5.9
  BOTTOM w0.152: v1(17.17,46.07) 17.27,46.16 J4.19 ; J4.79 29.27,46.14 v1(29.22,46.09) ; J4.37 20.87,46.18 v1(20.78,46.08) ; J4.31 19.67,46.26 v1(19.51,46.1) ; v1(30.69,46.08) 30.87,46.26 J4.87 ; J4.13 16.07,46.17 v1(15.98,46.08) ; v1(25.6,46.05) 25.67,46.11 J4.61 ; v1(18.4,46.09) 18.47,46.16 J4.25 ; J4.49 v1(23.27,46.09) ; J4.43 v1(22.07,46.09) ; v1(13.81,46.04) 13.67,46.18 J4.1 ; J4.7 v1(14.87,46.04) ; J4.55 v1(24.47,46.09) ; v1(26.8,46.09) 26.87,46.16 J4.67 ; J4.97 v1(32.87,46.09) ; J4.73 28.07,46.14 v1(28.02,46.09)
  BOTTOM w0.178: C78.2 21.79,30.83 21.45,31.17 C95.2
  BOTTOM w0.203: v1(49.88,22.79) 49.83,22.79 49.53,23.1 J7.6 ; J7.16 49.52,25.1 49.69,25.26 49.77,25.26 v1(49.77,25.27) ; C61.2 22.04,28.15 v1(22.04,28.19) ; v1(38.47,5.22) 38.45,5.24 J5.84 ; J5.60 v1(33.65,5.18) ; U7.B2 48.35,18.24 48.61,18.49 v2(49.79,18.49) ; v2(49.79,19.05) 49.71,19.13 49.11,19.13 C148.2 ; C65.2 23.92,32.2 24.15,32.43 C1.2 ; v1(31.18,9.71) 31.25,9.64 J5.47 ; v1(26.87,48.82) 26.87,48.82 J4.68 ; C55.2 22.28,28.19 v1(22.04,28.19) ; C78.2 22.01,30.48 v1(22.01,30.21) ; v1(29.46,48.74) 29.46,48.89 29.27,49.09 J4.80 ; C93.2 19.77,28.56 19.84,28.5 19.84,28.47 19.99,28.32 v1(19.99,28.27) ; J7.17 v1(45.24,25.5) ; C54.2 21.75,28.53 22.04,28.25 v1(22.04,28.19) ; C54.2 21.35,28.71 21.18,28.55 C90.2 ; C54.2 21.75,28.87 21.59,29.03 21.59,29.67 C74.2 ; v1(31.04,5.12) 31.14,5.22 31.14,5.44 31.21,5.51 31.21,5.51 31.25,5.55 J5.48 ; v1(31.78,48.83) 31.67,48.94 J4.92 ; J5.72 36.05,5.49 36.07,5.47 36.07,5.3 v1(36.17,5.2) ; C5.2 22.28,32.64 v1(22.25,32.67) ; J5.89 v1(39.65,9.71) ; v1(36.85,9.71) 36.85,9.71 J5.75 ; J5.96 v1(40.85,5.22) ; J7.3 v1(45.37,22.7) ; J4.44 22.07,49.03 v1(22.29,48.81) ; J4.20 v1(17.27,48.83) ; v1(33.91,9.85) 34.05,9.71 J5.61 ; J7.7 v1(45.37,23.5) ; v1(22.19,25.76) 22.2,25.75 C251.2
  BOTTOM w0.254: C235.2 24.95,30.42 v1(24.95,30.26) ; v1(26.77,23.68) 26.77,23.39 27.05,23.11 C2.2 ; R160.2 8.55,24.26 C111.2 8.58,24.8 v1(8.38,25) ; C106.2 2.75,29.81 v1(2.8,29.76) ; v1(14.78,48.82) 14.81,48.84 14.81,48.89 14.87,48.96 J4.8 ; v1(26.93,27.96) 26.61,28.28 C101.2 ; C234.1 26.98,29.72 v1(27.49,29.22) 27.49,28.89 C104.2 ; C21.2 22.37,23.57 22.26,23.67 v1(22.25,23.67) ; v1(30.14,36.14) 30.67,35.61 R23.2 ; C256.2 24.2,30.8 C247.2 24.75,30.46 v1(24.95,30.26) ; C99.2 23.94,25.81 C36.2 24.21,25.84 24.3,25.75 v1(24.69,25.75) ; v1(22.01,30.21) 22.19,30.39 C20.2 ; v1(22.01,30.21) 22.01,30.09 C74.2 ; v1(22.01,30.21) 22.46,29.76 C16.2 22.46,29.34 22.77,29.03 C35.2 23.12,29.19 v1(23.5,29.19) 23.98,29.19 C253.2 24.36,29.03 24.67,28.71 C255.2 24.96,28.2 v1(24.95,28.19) 24.95,27.72 C15.2 24.31,27.71 C33.2 ; v1(24.95,30.26) 24.96,30.24 C254.2 ; C248.2 26.06,26.71 C23.2 ; v1(35.18,35.31) 34.66,34.79 R18.2 ; 21.26,33.55 21.49,33.32 C8.2 21.73,32.73 21.79,32.67 v1(22.25,32.67) ; v1(1.81,28.57) C110.2 1.8,28.09 C389.2 1.8,27.44 R64.2 ; C23.2 26.09,26.3 v1(25.97,26.18) ; C23.2 26.47,26.68 ; v1(15.78,34.34) 15.27,34.34 TP47.1 ; 26.47,26.68 26.59,26.8 26.59,26.79 C3.2 27.36,26.79 27.46,26.69 C17.2 ; 26.47,26.68 26.58,26.56 v1(26.58,26.2) 26.58,26.03 26.2,25.66 C6.2 ; v1(8.43,36.24) 8.79,36.6 C114.2 ; v1(26.95,30.46) 26.99,30.5 C241.2 ; C105.2 4.53,37.14 v2(4.38,36.98) ; R30.2 v1(28.4,40.6) ; C100.2 23.94,33.29 24.03,33.19 24.03,33.13 24.05,33.12 24.05,32.99 24.15,32.89 C1.2 24.75,32.68 v1(24.77,32.66) 24.77,32.66 C244.2 ; C143.2 45.18,17.64 v2(45.38,17.45) 45.44,17.38 C146.2 ; J6.2 26.84,2.28 26.85,2.29 ; C131.2 43.1,31.71 v1(43.1,31.01) 42.06,31.01 C137.2 C136.2 ; Q1.2 41.49,24.14 40.98,24.66 v1(40.96,24.66) ; v1(19.7,48.82) 19.7,48.91 19.67,48.94 J4.32 ; C392.2 28.71,25.14 29.04,24.81 v1(29.04,24.03) ; v2(42.34,18.25) 42.39,18.19 C141.2 ; C112.2 3.68,36.08 v1(3.58,36.18) ; C394.2 R103.2 29.72,32.14 29.41,32.46 v1(29.08,32.46) ; v1(26.45,32.58) 26.77,32.58 C30.2 ; C94.2 19.91,32.27 v1(19.81,32.27) ; C268.2 24.67,34.84 v1(24.74,34.77) ; v1(42.6,25.47) 42.6,25.07 C133.2 ; v2(44.08,17.45) 44.11,17.48 C142.2 ; R28.2 28.4,41.66 v1(28.4,41.99) 28.37,42.01 28.3,42.01 28.09,42.22 R29.2 ; C245.2 29.14,30.41 v1(29.08,30.48) 29.37,30.77 C9.2 29.37,31.41 29.13,31.65 C391.2 ; R4.1 2.94,27.22 v1(2.83,27.32) ; R156.1 10.22,26.62 v1(9.89,26.62) ; C140.2 49.22,17.25 v2(49.71,17.25) ; R154.2 v2(49.77,15.04) ; C422.2 9.82,29.89 v1(9.95,29.76) 10.08,29.88 C113.2 ; v1(3.18,24.08) 3.46,24.36 C109.2 ; C132.2 44.03,25.34 v1(43.9,25.47) ; R159.1 9.94,34.97 v1(10.06,34.97) 10.52,34.51 R5.1
  BOTTOM w0.305: v1(24.75,23.66) 24.99,23.42 C400.2 24.99,22.86 25.15,22.7 C265.2
  BOTTOM w0.381: v1(26.73,34.77) 27.05,35.09 27.05,36.48 C393.2 ; v2(2.97,4.73) 2.83,4.87 C424.1 ; C129.2 44.26,30.46 44.26,29.91 v1(44.23,29.88) ; v1(46.06,29.12) 46.15,29.22 C127.2 ; v1(42.6,29.64) 42.59,29.63 42.03,29.63 C128.2 ; v1(6.58,6.61) 5.76,5.79 C365.2 ; v1(3.58,34.6) 3.55,34.56 C108.2 ; v1(42.58,28.47) 42.41,28.3 C130.2
  vias: v1(0.76,18.62) v1(0.76,16.08) v1(0.76,13.54) v1(0.76,11) v1(0.76,8.46) v1(0.76,5.92) v1(0.76,3.38) v1(1.04,47.82) v1(1.4,44.4) v1(1.4,43.31) v1(1.53,49.1) v1(1.63,46.51) v1(2.16,1.68) v1(2.31,44.4) v1(2.31,43.31) v1(2.82,1.53) v1(2.94,45.79) v1(3,49.83) v1(3.2,44.4) v1(3.2,43.31) v1(3.28,0.74) v1(4.12,44.4) v1(4.12,43.31) v1(4.38,49.1) v1(4.37,32.18) v1(4.41,30.51) v1(4.38,27.38) v1(4.46,46.53) v1(4.6,23.62) v1(4.95,47.79) v1(5.82,0.74) v1(5.89,44.4) v1(5.89,32.56) v1(5.92,30.05) v1(6.07,49.84) v1(6.07,48.74) v1(6.12,47.6) v1(6.12,46.51) v1(6.15,25.76) v1(6.99,49.84) v1(6.99,48.74) v1(7.04,47.6) v1(7.04,46.51) v1(7.01,44.42) v1(7.01,32.97) v1(7.57,31.37) v1(7.93,47.6) v1(7.93,46.51) v1(7.98,49.81) v1(7.98,48.72) v1(8.21,39.86) v1(8.36,0.74) v1(8.84,47.6) v1(8.84,46.51) v1(8.89,49.81) v1(8.89,48.72) v1(8.99,39.96) v1(9.78,49.81) v1(9.78,48.72) v1(9.75,39.9) v1(10.69,49.81) v1(10.69,48.72) v1(10.9,0.74) v1(11.48,40.36) v1(11.51,18.44) v1(11.53,17.65) v1(11.51,16.71) v1(12.4,18.47) v1(12.4,17.55) v1(12.42,16.71) v1(13.44,0.74) v1(13.77,44.42) v1(14.45,30.71) v1(14.84,44.42) v1(15.97,44.47) v1(15.98,0.74) v1(16.23,36.86) v1(17.17,44.47) v1(17.77,36.7) v1(18.34,38.03) v1(18.41,44.49) v1(18.52,0.74) v1(19.44,44.48) v1(20.78,44.48) v1(20.9,26.24) v1(21.06,0.74) v1(21.68,1.99) v1(22.05,44.49) v1(23.29,44.49) v1(23.6,0.74) v1(24.51,44.49) v1(25.65,44.42) v1(26.14,0.74) v1(26.85,44.5) v1(28.01,44.47) v1(28.68,0.74) v1(30.63,44.48) v1(31.22,0.74) v1(32.94,44.47) v1(33.79,17.77) v1(33.76,14.13) v1(33.76,0.74) v1(34.52,16.83) v1(34.6,47.38) v1(35.68,11.22) v1(35.79,32.73) v1(35.91,48.71) v1(36.3,0.74) v1(36.39,21.37) v1(36.82,48.01) v1(36.94,27.07) v1(38.25,39.64) v1(38.84,0.74) v1(40.32,31.09) v1(40.66,28.44) v1(41.22,48.77) v1(41.38,0.74) v1(43.13,9.2) v1(43.13,8.16) v1(43.13,7.19) v1(43.08,6.38) v1(43.42,23.29) v1(43.51,49.79) v1(43.51,48.69) v1(43.51,47.65) v1(43.51,46.56) v1(43.61,1.88) v1(43.71,9.65) v1(43.69,8.74) v1(43.66,7.8) v1(43.74,6.96) v1(43.74,6) v1(43.74,4.8) v1(43.69,3.91) v1(43.66,2.97) v1(43.92,0.74) v1(44.3,21.21) v1(44.27,10.19) v1(44.32,5.44) v1(44.27,2.44) v1(44.43,49.79) v1(44.43,48.69) v1(44.43,47.65) v1(44.43,46.56) v1(44.43,10.8) v1(44.43,4.6) v1(44.53,3.84) v1(44.76,3.1) v1(44.83,1.83) v1(44.83,0.87) v1(45.09,10.8) v1(45.09,5.44) v1(45.16,11.48) v1(45.24,4.7) v1(45.26,10.21) v1(45.64,0.84) v1(45.84,47.81) v1(45.84,2.96) v1(46.03,10.24) v1(46.03,5.46) v1(46.33,49.08) v1(46.33,4.24) v1(46.43,46.5) v1(46.43,1.65) v1(46.72,41.29) v1(46.72,39.84) v1(46.76,10.24) v1(47.07,9.45) v1(47.14,6.61) v1(47.22,21.95) v1(47.54,24.53) v1(47.52,9.09) v1(47.6,10.77) v1(47.58,10.06) v1(47.58,6.05) v1(47.74,45.77) v1(47.74,0.93) v1(47.8,49.82) v1(47.78,11.51) v1(47.8,4.97) v1(48.16,41.29) v1(48.18,6.63) v1(48.57,6) v1(48.79,11.51) v1(49.02,9.81) v1(49.02,8.59) v1(49.1,11) v1(49.15,6.58) v1(49.18,49.08) v1(49.18,4.24) v1(49.26,46.52) v1(49.26,1.67) v1(49.38,9.22) v1(49.51,36.53) v1(49.51,35.61) v1(49.53,34.75) v1(49.58,33.71) v1(49.58,32.82) v1(49.58,31.9) v1(49.58,30.96) v1(49.58,30.08) v1(49.58,29.16) v1(49.58,28.09) v1(49.61,11.46) v1(49.58,7.22) v1(49.56,5.84) v1(49.75,47.77) v1(49.71,40.39) v1(49.75,2.93) v1(49.79,10.59) v1(49.81,9.76) v1(49.86,12.09) v1(49.91,8.69) v1(49.91,7.9) v1(49.96,6.55) v2(2.15,12.48) v2(2.15,11.71) v2(2.15,11) v2(2.15,10.24) v2(2.15,9.48) v2(2.15,8.79) v2(8.59,12.45) v2(8.59,11.69) v2(8.59,10.92) v2(8.59,10.16) v2(8.59,9.4) v2(9.35,12.45) v2(9.35,11.69) v2(9.35,10.92) v2(9.35,10.16) v2(9.35,9.4) v2(10.11,12.45) v2(10.11,11.69) v2(10.11,10.92) v2(10.11,10.16) v2(10.11,9.4) v2(10.87,12.45) v2(10.87,11.69) v2(10.87,10.92) v2(10.87,10.16) v2(10.87,9.4) v2(11.63,12.45) v2(11.63,11.69) v2(11.63,10.92) v2(11.63,10.16) v2(11.63,9.4) v2(13.95,24.79) v2(14.78,26.82) v2(17.88,11.18) v2(17.91,9.68) v2(17.96,12.35) v2(18.85,11.18) v2(18.85,9.65) v2(18.87,12.37) v2(23.93,5.04) v2(23.93,4.4) v2(24.1,10.53) v2(24.1,9.9) v2(24.56,5.04) v2(24.56,4.4) v2(25.2,5.04) v2(25.2,4.4) v2(25.37,10.53) v2(44.08,13.55) v2(45.38,16.15) v2(45.38,14.85) v2(45.38,13.55) v2(46.68,13.55) v2(46.89,17.25) v2(47.98,17.25) v2(47.98,13.55)
